# EAGLE board AU_MacroPad with Encoder - 8 Panel (EAGLE 9.6.2), part 5 of 5
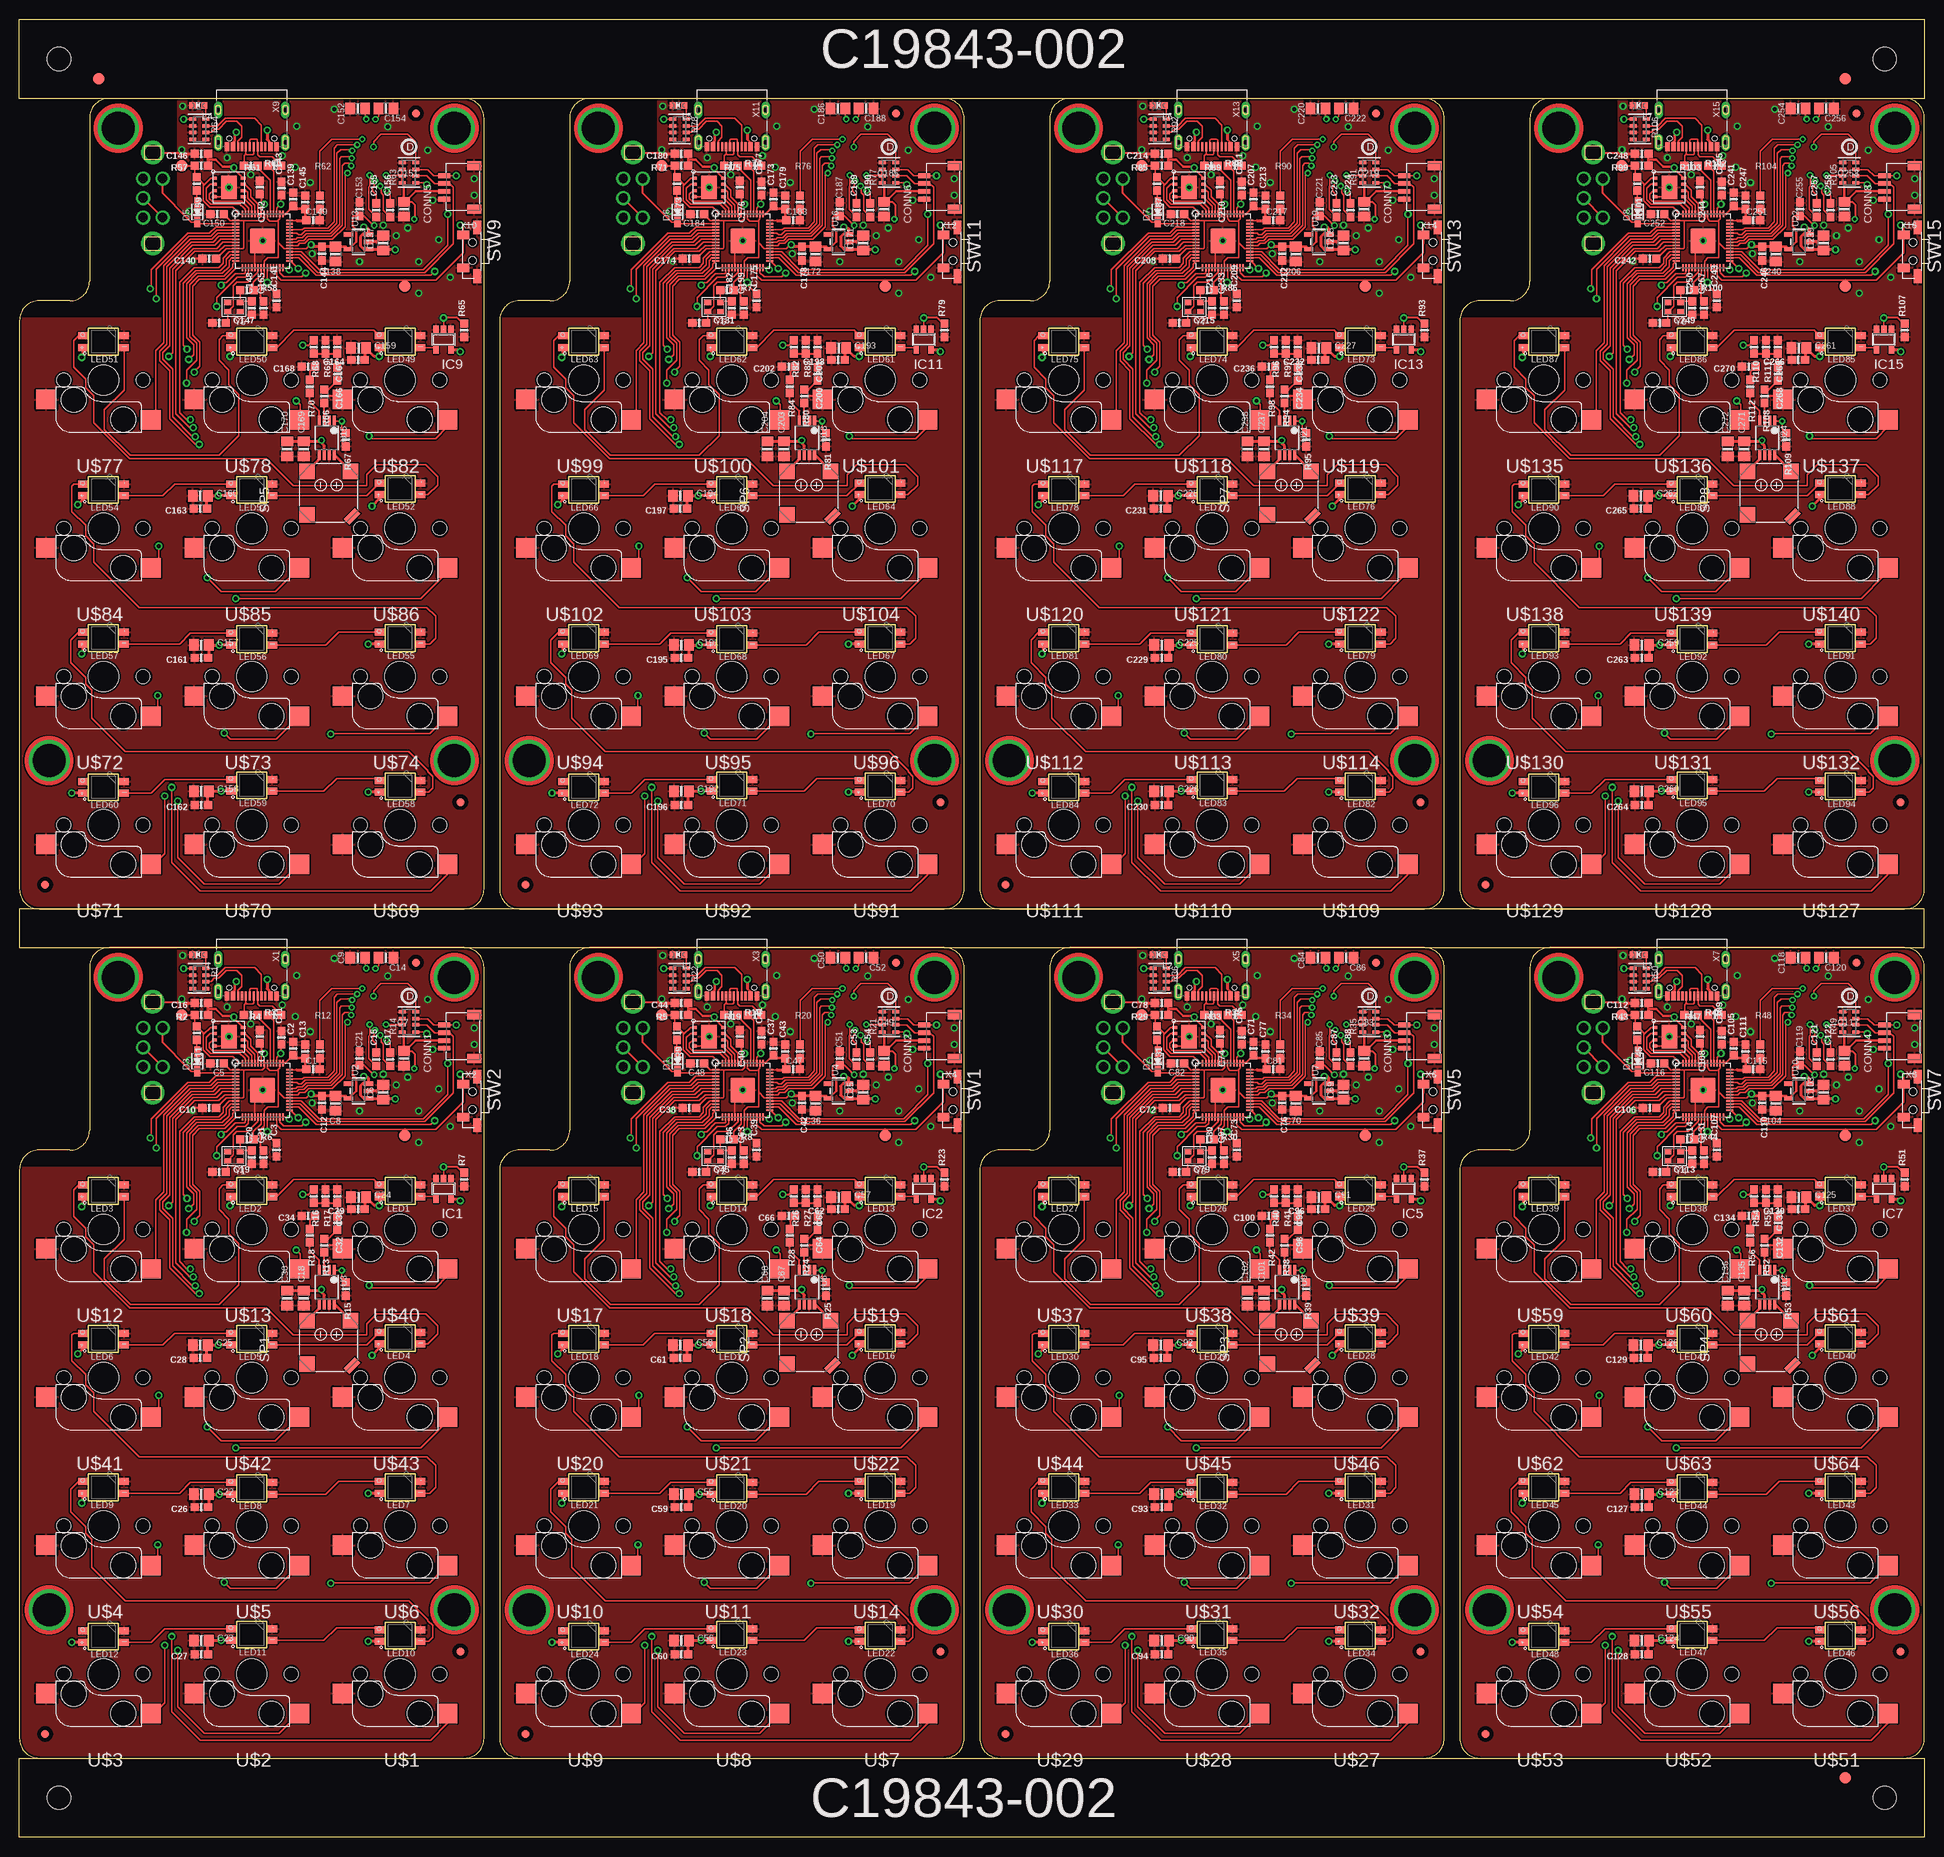
[diagram p0: board, top side]
## Tracks (layer width: path | path; a pad name or v marks a point on that pad's centre or on a via) (continued)
SPKR_SD4  (via drill 0.39, 0.5) (continued)
  Bottom 0.203: v25.37,196.72 26.46,195.63 33.05,195.63 34.99,193.69 34.99,189.67 40.14,184.52 40.14,183.25 v41.43,181.96
SPKR_SD5  (via drill 0.39, 0.5)
  Top 0.203: IC12.17 91.11,201.68 91.11,200.89 90.68,200.45 89.64,200.45 87.06,197.87 v87.06,196.72 | U18.1 102.24,181.96 v103.12,181.96 103.12,180.95 R81.1
  Bottom 0.203: v87.06,196.72 88.15,195.63 94.74,195.63 96.68,193.69 96.68,189.67 101.83,184.52 101.83,183.25 v103.12,181.96
SPKR_SD6  (via drill 0.39, 0.5)
  Top 0.203: IC14.17 152.8,201.68 152.8,200.89 152.37,200.45 151.33,200.45 148.75,197.87 v148.75,196.72 | U21.1 163.93,181.96 v164.81,181.96 164.81,180.95 R95.1
  Bottom 0.203: v148.75,196.72 149.84,195.63 156.43,195.63 158.37,193.69 158.37,189.67 163.52,184.52 163.52,183.25 v164.81,181.96
SPKR_SD7  (via drill 0.39, 0.5)
  Top 0.203: IC16.17 214.49,201.68 214.49,200.89 214.06,200.45 213.02,200.45 210.44,197.87 v210.44,196.72 | U24.1 225.62,181.96 v226.5,181.96 226.5,180.95 R109.1
  Bottom 0.203: v210.44,196.72 211.53,195.63 218.12,195.63 220.06,193.69 220.06,189.67 225.21,184.52 225.21,183.25 v226.5,181.96
USBBOOT
  Top 0.178: 21.91,98.61 21.52,99
  Top 0.203: IC3.2 22.97,98.21 22.81,98.37 D3.C 22.1,98.42 21.91,98.61
  Top 0.254: 21.52,99 18.38,102.14 SW3.E
USBBOOT1
  Top 0.178: 83.6,98.61 83.21,99
  Top 0.203: IC4.2 84.66,98.21 84.5,98.37 D1.C 83.79,98.42 83.6,98.61
  Top 0.254: 83.21,99 80.07,102.14 SW4.E
USBBOOT2
  Top 0.178: 145.29,98.61 144.9,99
  Top 0.203: IC6.2 146.35,98.21 146.19,98.37 D2.C 145.48,98.42 145.29,98.61
  Top 0.254: 144.9,99 141.76,102.14 SW6.E
USBBOOT3
  Top 0.178: 206.98,98.61 206.59,99
  Top 0.203: IC8.2 208.03,98.21 207.88,98.37 D4.C 207.17,98.42 206.98,98.61
  Top 0.254: 206.59,99 203.45,102.14 SW8.E
USBBOOT4
  Top 0.178: 21.91,207.76 21.52,208.15
  Top 0.203: IC10.2 22.97,207.35 22.81,207.51 D5.C 22.1,207.57 21.91,207.76
  Top 0.254: 21.52,208.15 18.38,211.28 SW10.E
USBBOOT5
  Top 0.178: 83.6,207.76 83.21,208.15
  Top 0.203: IC12.2 84.66,207.35 84.5,207.51 D6.C 83.79,207.57 83.6,207.76
  Top 0.254: 83.21,208.15 80.07,211.28 SW12.E
USBBOOT6
  Top 0.178: 145.29,207.76 144.9,208.15
  Top 0.203: IC14.2 146.35,207.35 146.19,207.51 D7.C 145.48,207.57 145.29,207.76
  Top 0.254: 144.9,208.15 141.76,211.28 SW14.E
USBBOOT7
  Top 0.178: 206.98,207.76 206.59,208.15
  Top 0.203: IC16.2 208.03,207.35 207.88,207.51 D8.C 207.17,207.57 206.98,207.76
  Top 0.254: 206.59,208.15 203.45,211.28 SW16.E
VCC  (via drill 0.39)
  Top 0.178: C14.2 46.14,112.03 v45.74,111.64
  Bottom 0.178: v45.74,111.64 45.39,111.64 45.21,111.46 45.21,111.25 45.05,111.09 X2.15
VCC1  (via drill 0.39)
  Top 0.178: C52.2 107.83,112.03 v107.43,111.64
  Bottom 0.178: v107.43,111.64 107.08,111.64 106.9,111.46 106.9,111.25 106.74,111.09 X4.15
VCC2  (via drill 0.39)
  Top 0.178: C86.2 169.52,112.03 v169.13,111.64
  Bottom 0.178: v169.13,111.64 168.77,111.64 168.59,111.46 168.59,111.25 168.43,111.09 X6.15
VCC3  (via drill 0.39)
  Top 0.178: C120.2 231.21,112.03 v230.81,111.64
  Bottom 0.178: v230.81,111.64 230.46,111.64 230.28,111.46 230.28,111.25 230.12,111.09 X8.15
VCC4  (via drill 0.39)
  Top 0.178: C154.2 46.14,221.18 v45.74,220.78
  Bottom 0.178: v45.74,220.78 45.39,220.78 45.21,220.6 45.21,220.39 45.05,220.23 X10.15
VCC5  (via drill 0.39)
  Top 0.178: C188.2 107.83,221.18 v107.43,220.78
  Bottom 0.178: v107.43,220.78 107.08,220.78 106.9,220.6 106.9,220.39 106.74,220.23 X12.15
VCC6  (via drill 0.39)
  Top 0.178: C222.2 169.52,221.18 v169.13,220.78
  Bottom 0.178: v169.13,220.78 168.77,220.78 168.59,220.6 168.59,220.39 168.43,220.23 X14.15
VCC7  (via drill 0.39)
  Top 0.178: C256.2 231.21,221.18 v230.81,220.78
  Bottom 0.178: v230.81,220.78 230.46,220.78 230.28,220.6 230.28,220.39 230.12,220.23 X16.15
VCOMH  (via drill 0.39)
  Top 0.178: C9.2 44.4,111.81 v44.55,111.66
  Bottom 0.178: v44.55,111.66 X2.14
VCOMH1  (via drill 0.39)
  Top 0.178: C50.2 106.09,111.81 v106.24,111.66
  Bottom 0.178: v106.24,111.66 X4.14
VCOMH2  (via drill 0.39)
  Top 0.178: C84.2 167.78,111.81 v167.93,111.66
  Bottom 0.178: v167.93,111.66 X6.14
VCOMH3  (via drill 0.39)
  Top 0.178: C118.2 229.47,111.81 v229.62,111.66
  Bottom 0.178: v229.62,111.66 X8.14
VCOMH4  (via drill 0.39)
  Top 0.178: C152.2 44.4,220.95 v44.55,220.81
  Bottom 0.178: v44.55,220.81 X10.14
VCOMH5  (via drill 0.39)
  Top 0.178: C186.2 106.09,220.95 v106.24,220.81
  Bottom 0.178: v106.24,220.81 X12.14
VCOMH6  (via drill 0.39)
  Top 0.178: C220.2 167.78,220.95 v167.93,220.81
  Bottom 0.178: v167.93,220.81 X14.14
VCOMH7  (via drill 0.39)
  Top 0.178: C254.2 229.47,220.95 v229.62,220.81
  Bottom 0.178: v229.62,220.81 X16.14

## Text on the board
tPlace: C19843-002 | C19843-002